# Altium PCB PA-HF_100W-VHF_60W.PcbDoc (part 2 of 3) (continued)
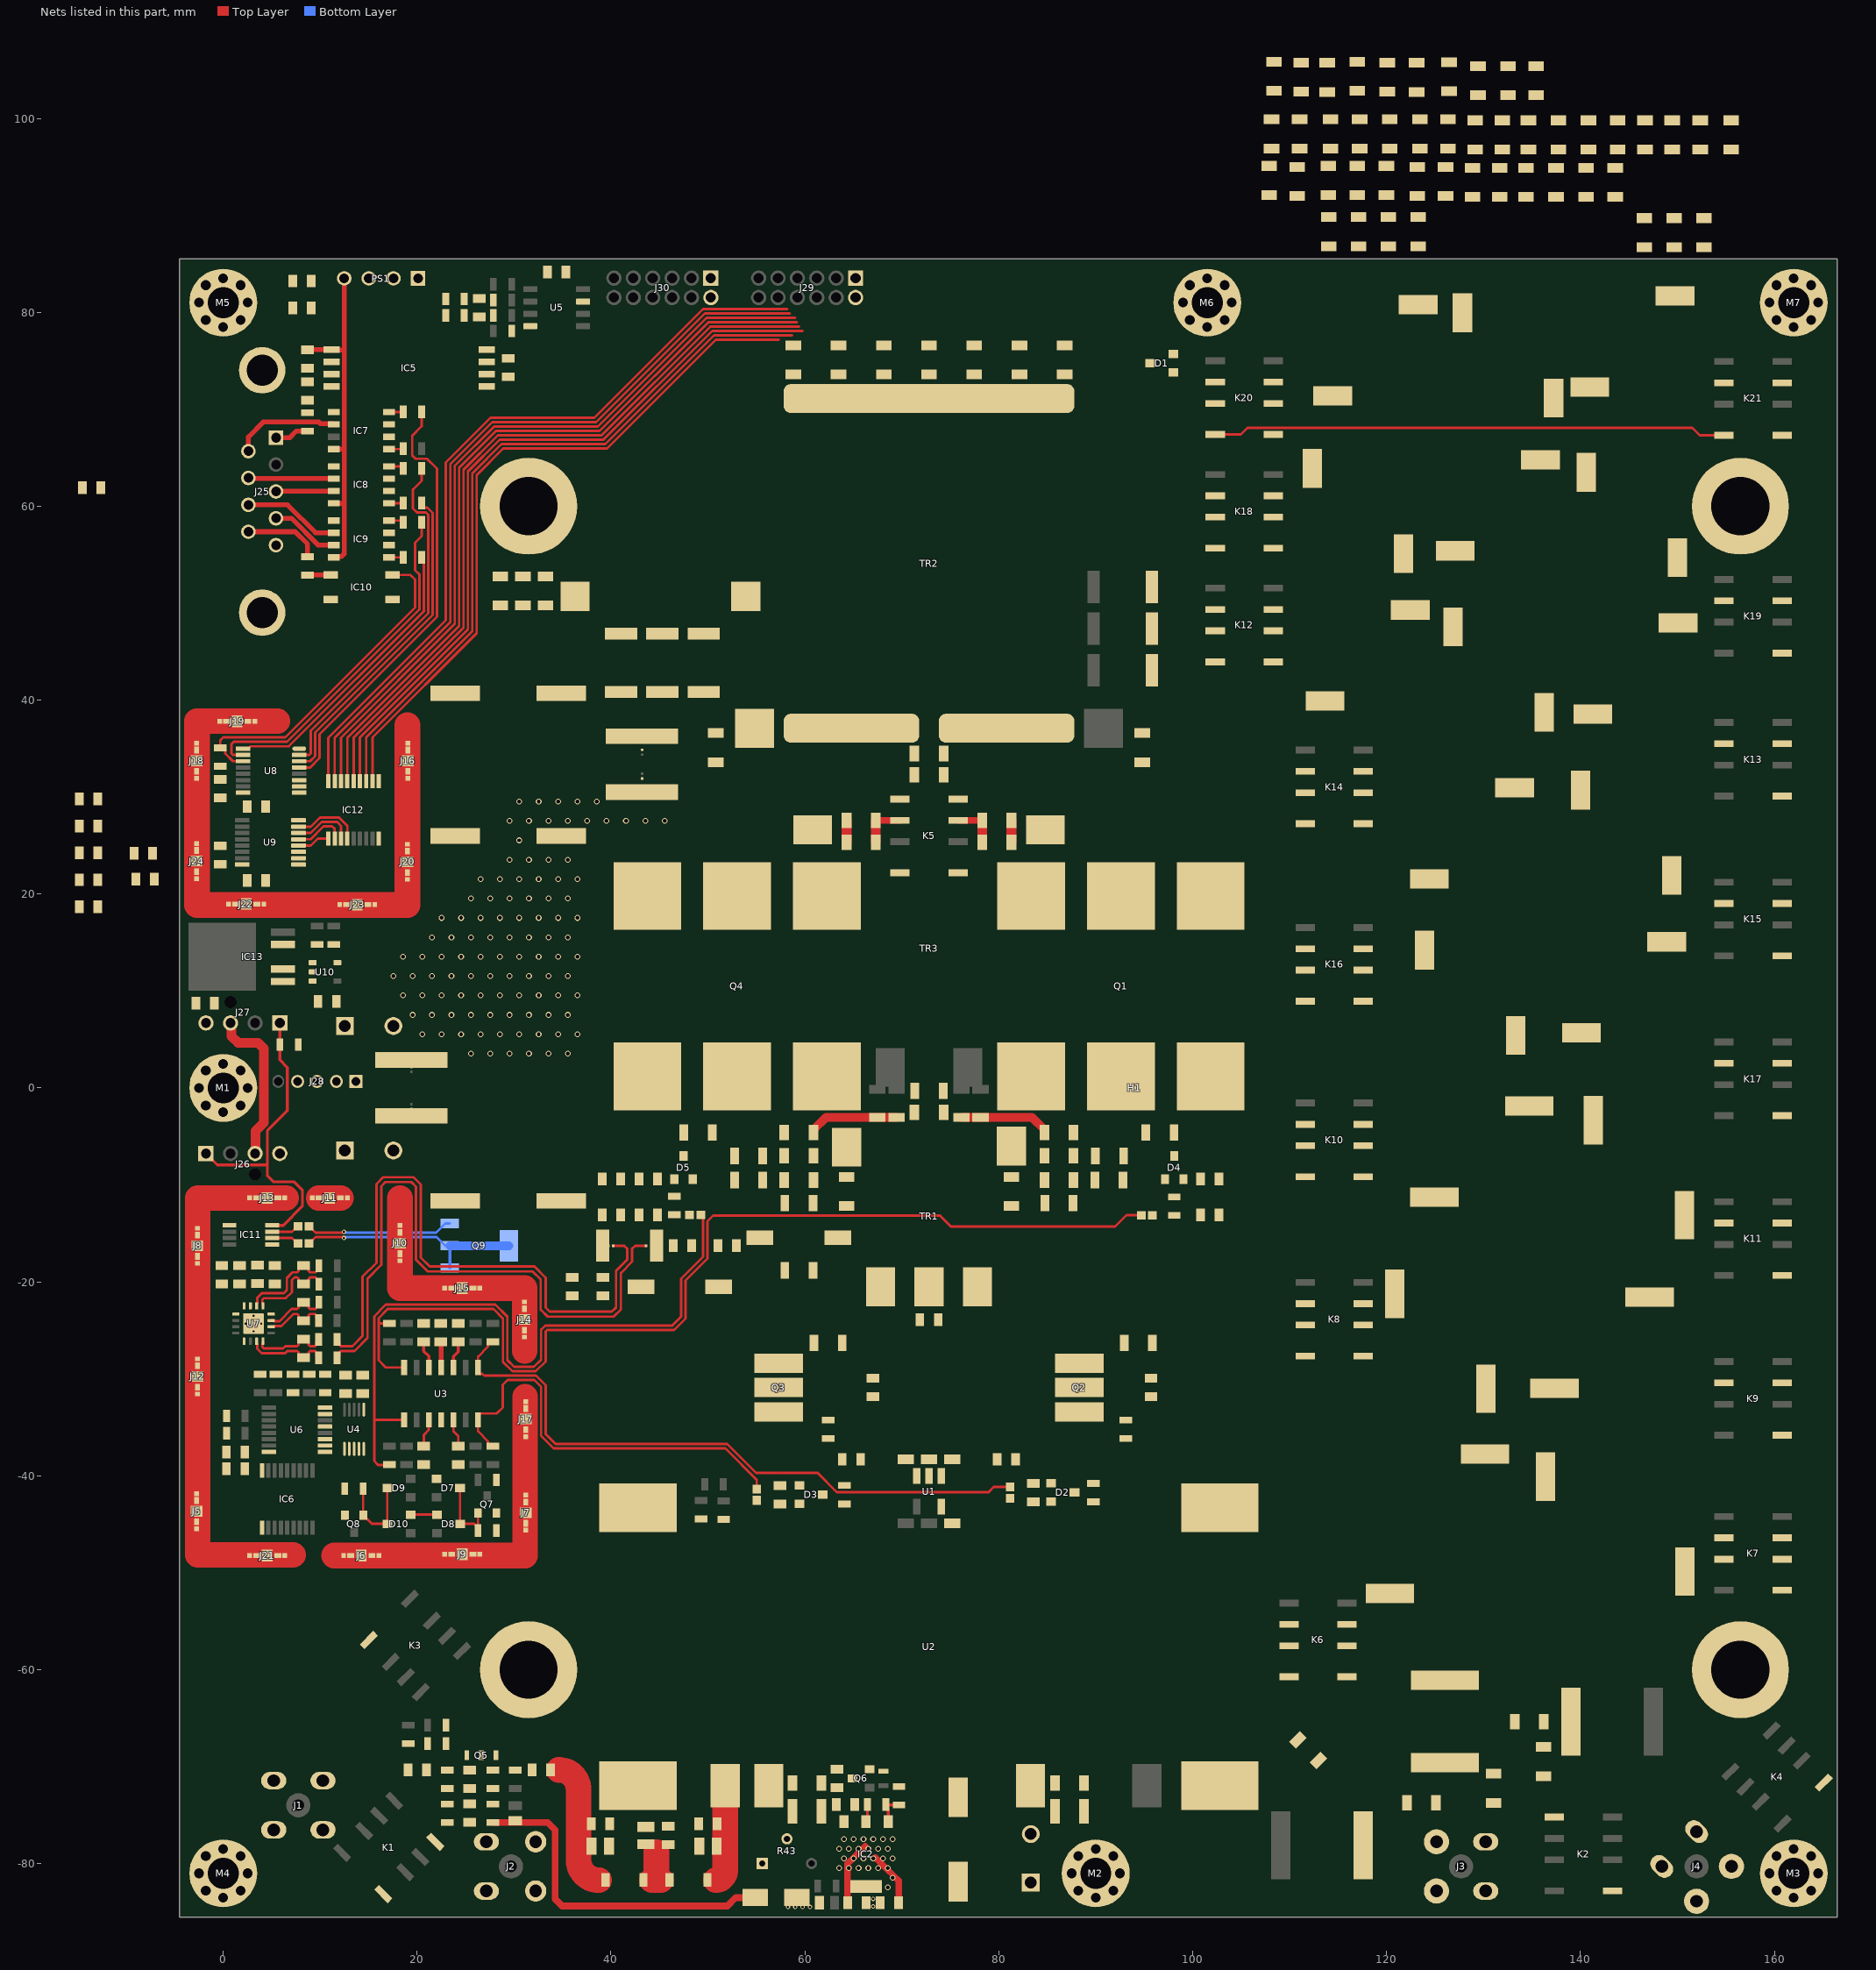
[diagram p2: the nets of this part, all layers, seen from the top]
## Part data (continued)
R46: library part "RES semi", "Chip Resistor", Manufacturer=Yageo/Phycomp, Manufacturer P/N=RC0603FR-0749R9L, numsch=021, Parameters="49.9R, RC, 0.1W, ±1%, TCR ±100ppm", TypeNum=212
TR1 TR3: "BN43-202 3+3T:3T 0.5mm"
TR2: "BN61-002 1T:4T 25ohms coaxial"
U1: "1:1"
U3: library part CMP-04895-000189-1, "IC CMOS 4 CIRCUIT 14SOIC", Case/Package=SOIC, Input Bias Current=0.5pA, Input Offset Voltage (Vos)=300uV, Max Operating Temperature=125°C, Min Operating Temperature=-40°C, Operating Supply Current=538uA, Output Current per Channel=50mA, Gain Bandwidth Product=10MHz, Mount="Surface Mount", Number Of Channels=4, Number of Circuits=4, Number of Pins=14, Packaging="Cut Tape", RoHS Compliant=Yes, Slew Rate=6.5V/µs
U4: library part CMP-0188-01009-2, "12-Bit Quad Digital-to-Analog Converter with EEPROM Memory, 10-pin MSOP, Extended Temperature, Tape and Reel", ComponentLink1Description="Manufacturer URL", ComponentLink1URL=http://www.microchip.com/, ComponentLink2Description=Datasheet, ComponentLink2URL=http://ww1.microchip.com/downloads/en/DeviceDoc/22187E.pdf, ComponentLink3Description="Package Specification", ComponentLink3URL=http://www.microchip.com/stellent/groups/techpub_sg/documents/packagingspec/en012702.pdf, DatasheetVersion="revE, Oct-2010", PackageDescription="10-Lead Plastic Micro Small Outline Package (UN) [MSOP]", PackageReference=MSOP-UN10, PackageVersion="revBB, Aug-2009", RevisionNote="URLs added. DatasheetVersion updated."
U5: library part CMP-0272-00694-3, "Precision, Low Noise, Low Iq Operational Amplifier, 2.2 to 5.5 V, -40 to 125 degC, 8-pin SOIC (D8), Green (RoHS & no Sb/Br)", Manufacturer="Texas Instruments", Total Supply Voltage(Max)(+5V is 5, +/-5V is 10)=5.5, Total Supply Voltage(Min)(+5V is 5, +/-5V is 10)=2.2, CMRR(Min)(dB)=76, Code_JEDEC=MS-012, ComponentLink1Description="Manufacturer URL", ComponentLink1URL=http://www.ti.com/, ComponentLink2Description=Datasheet, ComponentLink2URL=http://www.ti.com/general/docs/lit/getliterature.tsp?genericPartNumber=OPA376&fileType=pdf, ComponentLink3Description="Package Specification", ComponentLink3URL=http://www.ti.com/litv/pdf/msoi002j, DatasheetVersion=SBOS406F, Eco-Plan="Green (RoHS & no Sb/Br)", IIB(Max)(pA)=10, Iq per channel(Max)(mA)=0.95, Mounting Technology="Surface Mount", Number Of Channels=1, Offset Drift(Typ)(uV/C)=0.32, PackageDescription="8-Pin Plastic Small Outline, Body 4.9 x 3.9 mm, Pitch 1.27 mm", PackageReference=D0008A, PackageVersion="4040047-3/M, 06/2011", PartNumber=OPA376AIDR, Slew Rate(Typ)(V/us)=2, Sub Family="Low Input Bias Current Amp (<=10pA), Low Noise Amp (<=10nV/rtHz), Low Offset Voltage Amplifier (<=500uV), Low Supply Voltage Amplifier (<=2.7V), Precision Amplifier", Vio (25C)(Max)(mV)=0.025, Vn at 1kHz(Typ)(nV/rtHz)=7.5
U6 U8 U9: library part CMP-04886-000001-1, "IC I/O EXPANDER I2C 8B 16TSSOP", Ambient Temperature Range High=+85°C, Ambient Temperature Range Low=-40°C, Frequency=400kHz, Manufacturer="Texas Instruments", Max Junction Temp=100°C, Max Supply Voltage=5.5V, Min Supply Voltage=1.65V, Nominal Supply Current=5-22uA, Package=PW0016A, Temperature="-40°C to +85°C", Automotive=No, Category=IC, ComponentLink2Description=Datasheet, ComponentLink2URL=http://www.ti.com/lit/ds/symlink/tca9534a.pdf, Device Class L1="Integrated Circuits (ICs)", Device Class L2="Interface ICs", Device Class L3="I/O Expanders", Digikey Description="IC I/O EXPANDER I2C 8B 16TSSOP", Height=1.2mm, Interface=I2C,SMBus, Lead Free=Yes, Manufacturer Part Number=TCA9534APWR, Number Of I/Os=8, Octopart=https://octopart.com/tca9534apwr-texas+instruments-50333529, RoHS=TRUE, Standoff Height=0.05mm, Temperature Range High=+85°C, Temperature Range Low=-40°C
U7: library part CMP-0704-00001-2, "Triple Channel Shunt and Bus Voltage Monitor, 120 dB, 2.7 to 5.5 V, -40 to 125 degC, 16-Pin VQFN (RGV), Green (RoHS & no Sb/Br), Tape and Reel", Manufacturer="Texas Instruments", Offset Voltage (max)="+/- 80 uV", Operating Supply Range="2.7 to 5.5 V", Quiescent Current (Typ)="350 uA", Rating=Catalog, Temperature Range="-40 to 125 degC", Voltage Input Range (Bus)="0 to 26 V", CMR (Typ)="120 dB", ComponentLink1Description="Manufacturer URL", ComponentLink1URL=http://www.ti.com/, ComponentLink2Description=Datasheet, ComponentLink2URL=http://www.ti.com/lit/ds/symlink/ina3221.pdf, ComponentLink3Description="Package Specification", ComponentLink3URL=http://www.ti.com/lit/ds/symlink/ina3221.pdf, DatasheetVersion=SBOS576A, Gain="1 V/V", Gain Error (max)=0.25%, Mounting Technology="Surface Mount", PackageDescription="16-Pin Quad Flat No-lead Package, Body 4 x 4 mm, Pitch 0.65 mm", PackageReference=RGV0016A, PackageVersion=SBOS576A, Packing="Tape and Reel", PartNumber=INA3221AIRGVR, RoHS=TRUE
U10: library part CMP-0394-00364-2, "Single Output High PSRR LDO, 200 mA, Fixed 3.3 V Output, 2.7 to 5.5 V Input, 5-pin SOT-23 (DBV), -40 to 85 degC, Green (RoHS & no Sb/Br)", Manufacturer="Texas Instruments", Rating=Catalog, Accuracy(%)=2, Code_JEDEC=MO-178, ComponentLink1Description="Manufacturer URL", ComponentLink1URL=http://www.ti.com/, ComponentLink2Description=Datasheet, ComponentLink2URL=http://www.ti.com/general/docs/lit/getliterature.tsp?genericPartNumber=TPS79333&fileType=pdf, ComponentLink3Description="Package Specification", ComponentLink3URL=http://www.ti.com/litv/pdf/mpds018i, DatasheetVersion=SLVS348K, Eco-Plan="Green (RoHS & no Sb/Br)", Fixed Output Options(V)=3.3, Iout(Max)(A)=0.2, Iq(Typ)(mA)=0.2, Mounting Technology="Surface Mount", PackageDescription="5-Pin Plastic Small Outline, Body 1.60 Ãƒâ€” 2.90 mm, Pitch 0.95 mm", PackageReference=DBV0005A, PackageVersion=4073253-4/K, PartNumber=TPS79333DBVR, SubFamily="Single Channel LDO", Vdo(Typ)(mV)=102, Vin(Max)(V)=5.5, Vin(Min)(V)=2.7, Vout Adj(Max)(V)=3.3, Vout Adj(Min)(V)=3.3

## Via types
v1: diameter 0.6, hole 0.4, Top Layer to Bottom Layer, tented both sides, 127 vias
v2: diameter 0.45, hole 0.25, Top Layer to Bottom Layer, tented both sides, 8 vias
v3: diameter 0.5, hole 0.2, Top Layer to Bottom Layer, tented both sides, 4 vias

## Nets (pads, with @x,y where several pads share a name; then routed paths per layer and width w, separated by ;. In a path a pad name is that pad's centre, name@x,y a point inside that pad or via, vN(x,y) a via of type N, cw(c..) or ccw(c..) an arc to the next point about the centre after c; other vN are vias at no path point)
+3.3V: C119.2 C120.2 C121.2 C125.2 C128.2 C135.2 C137.2 C139.2 C140.2 C141.2 C142.2 C144.2 C145.2 C147.2 C149.2 C151.2 IC11.1 R50.1 R51.1 R61.1 R62.1 R63.1 R64.1 R65.1 R67.1 R79.1 R85.2 R87.2 U4.1 U5.7 U6.16 U7.4 U7.5 U7.16 U8.1 U8.2 U8.3 U8.16 U9.1 U9.2 U9.16 U10.5
+5V: C122.2 C129.2 C148.2 C150.2 C152.2 C153.2 IC5.8 IC13.4 R68.1 R88.2 U3.4 U10.1 U10.3 | length 2.7
  Top Layer w0.5: C129.2@22.45,-26.175 22.463,-26.188 22.463,-28.813 U3.4@22.475,-28.825
+5V_E: C123.1 C133.1 IC5.1 IC7.8 IC8.8 IC9.8 PS1.4 | length 35.6
  Top Layer w0.5: C123.1@8.7,76.15 8.702,76.153 11.173,76.153 IC5.1@11.175,76.155 11.205,76.125 12.475,76.125 ; IC9.8@11.4,54.72 11.475,54.795 12.182,54.795 12.475,55.088 12.475,60.3 ; IC8.8@11.4,60.307 11.407,60.3 12.475,60.3 ; IC7.8@11.4,65.895 11.405,65.9 12.475,65.9 ; PS1.4@12.48,83.5 12.475,83.495 12.475,65.9 ; 12.475,60.3 12.475,65.9
+12V: C42.1 C43.1 C44.2 C45.2 C46.2 C47.2 FB7.1 IC1.2 IC6.9 IC12.9 NT3.2 NT4.2 NT5.2 R32.1 R33.1 R44.1
  other v1: 25.541,3.542 27.541,3.542 29.541,3.542 31.541,3.542 33.541,3.542 35.541,3.542 20.541,5.542 22.541,5.542 24.541,5.542 26.541,5.542 28.541,5.542 30.541,5.542 32.541,5.542 34.541,5.542 36.541,5.542 19.541,7.542 21.541,7.542 23.541,7.542 25.541,7.542 27.541,7.542 29.541,7.542 31.541,7.542 33.541,7.542 35.541,7.542 18.541,9.542 20.541,9.542 22.541,9.542 24.541,9.542 26.541,9.542 28.541,9.542 30.541,9.542 32.541,9.542 34.541,9.542 36.541,9.542 17.541,11.542 19.541,11.542 21.541,11.542 23.541,11.542 25.541,11.542 27.541,11.542 29.541,11.542 31.541,11.542 33.541,11.542 35.541,11.542 18.541,13.542 20.541,13.542 22.541,13.542 24.541,13.542 26.541,13.542 28.541,13.542 30.541,13.542 32.541,13.542 34.541,13.542 36.541,13.542 21.541,15.542 23.541,15.542 25.541,15.542 27.541,15.542 29.541,15.542 31.541,15.542 33.541,15.542 35.541,15.542 22.541,17.542 24.541,17.542 26.541,17.542 28.541,17.542 30.541,17.542 32.541,17.542 34.541,17.542 36.541,17.542 25.541,19.542 27.541,19.542 29.541,19.542 31.541,19.542 33.541,19.542 35.541,19.542 26.541,21.542 28.541,21.542 30.541,21.542 32.541,21.542 34.541,21.542 36.541,21.542 29.541,23.542 31.541,23.542 33.541,23.542 35.541,23.542 30.541,25.542 29.541,27.542 31.541,27.542 33.541,27.542 35.541,27.542 37.541,27.542 39.541,27.542 41.541,27.542 43.541,27.542 45.541,27.542 30.541,29.542 32.541,29.542 34.541,29.542 36.541,29.542 38.541,29.542
+12V_FAN: C132.1 C143.2 FB7.2 J26.3 J27.3 PS1.2 | length 16.5
  Top Layer w1: J27.3@0.755,6.705 0.864,6.596 0.864,5.336 1.55,4.65 3.614,4.65 4.2,4.064 4.2,-3.575 3.323,-4.452 3.323,-6.727 J26.3@3.295,-6.755
+12V_LP: C146.2 IC13.1 IC13.2 J28.1 J28.2
ALC: J25.1 R56.1 | length 3.5
  Top Layer w0.5: J25.1@5.44,67.065 6.865,67.065 7.55,67.75 R56.1@8.7,67.75
BAND0: IC9.7 J25.4 | length 7.1
  Top Layer w0.5: J25.4@5.44,58.755 7.03,58.755 9.795,55.99 IC9.7@11.4,55.99
BAND0_IN: R82.2 U8.9 | length 30.2
  Top Layer w0.254: U8.9@2.05,35 2.575,35 2.821,35.246 6.78,35.246 20.698,49.164 20.698,54.502 R82.2@20.475,54.725
BAND1: IC9.6 J25.8 | length 10
  Top Layer w0.5: J25.8@2.6,60.14 6.635,60.14 9.515,57.26 IC9.6@11.4,57.26
BAND1_IN: R84.2 U8.10 | length 36.8
  Top Layer w0.254: U8.10@2.05,34.35 1,34.35 0.851,34.499 0.851,35.459 1.092,35.7 6.592,35.7 20.244,49.352 20.244,52.956 19.798,53.402 19.798,56.248 20.475,56.925 R84.2@20.475,58.325
BAND2: IC7.6 J25.6 | length 11
  Top Layer w0.5: J25.6@2.6,65.68 2.6,67.15 4.125,68.675 9.86,68.675 10.025,68.51 11.325,68.51 IC7.6@11.4,68.435
BAND2_IN: R74.2 U8.5 | length 45.4
  Top Layer w0.254: U8.5@7.85,33.05 8.958,33.05 9.942,34.034 9.942,36.482 22.06,48.6 22.06,63.865 21.025,64.9 19.825,64.9 19.5,65.225 19.5,67.275 20.475,68.25 R74.2@20.475,69.725
BAND3: IC8.7 J25.3 | length 6
  Top Layer w0.5: J25.3@5.44,61.525 5.466,61.551 11.374,61.551 IC8.7@11.4,61.577
BAND3_IN: R76.2 U8.6 | length 33.6
  Top Layer w0.254: U8.6@7.85,33.7 8.966,33.7 9.488,34.222 9.488,36.67 21.606,48.788 21.606,59.298 21.043,59.862 20.698,59.862 20.475,60.085 R76.2@20.475,60.325
BIAS0: FB5.1 R59.1 U3.7 | length 106.7
  Top Layer w0.254: R59.1@17.15,-24.275 16.029,-24.275 ; U3.7@18.665,-28.825 16.775,-28.825 16.029,-28.079 16.029,-24.275 ; FB5.1@94.699,-13.125 93.175,-13.125 92,-14.3 75.062,-14.3 73.935,-13.173 50.527,-13.173 49.95,-13.75 49.95,-17.592 47.675,-19.867 47.675,-23.775 46.496,-24.954 33.413,-24.954 33.25,-25.117 33.25,-28.2 32.233,-29.217 29.817,-29.217 28.85,-28.25 28.85,-23.775 27.879,-22.804 16.963,-22.804 16.029,-23.738 16.029,-24.275
BIAS1: FB6.1 R52.1 U3.8 | length 72.7
  Top Layer w0.254: R52.1@17.15,-38.85 17.125,-38.875 15.975,-38.875 15.575,-38.475 15.575,-34.225 ; U3.8@18.665,-34.225 15.575,-34.225 ; FB6.1@49.251,-13.075 49.496,-13.32 49.496,-17.404 47.221,-19.679 47.221,-23.587 46.308,-24.5 33.225,-24.5 32.796,-24.929 32.796,-28.012 32.045,-28.763 30.005,-28.763 29.304,-28.062 29.304,-23.587 28.067,-22.35 16.775,-22.35 15.575,-23.55 15.575,-34.225
BIAS_EN: D7.1 R65.2 U6.5
C\U\R\R\_\A\L\A\R\M\: D8.1 D10.2 R62.2 U6.7 U7.9 | length 2.7
  Top Layer w0.254: D10.2@19.325,-44 D8.1@22.05,-44
DRV_BIAS0: FB3.1 R69.1 U3.1 | length 67.1
  Top Layer w0.254: R69.1@27.825,-26.175 27.533,-26.175 27.31,-26.398 27.31,-26.69 26.285,-27.715 26.285,-29.3 26.458,-29.473 26.723,-29.473 26.921,-29.671 32.271,-29.671 33.25,-30.65 33.25,-35.7 34.277,-36.727 51.994,-36.727 54.967,-39.7 61.313,-39.7 63.29,-41.677 78.948,-41.677 79.476,-41.149 FB3.1@81.15,-41.149
DRV_BIAS1: FB4.1 R71.1 U3.14 | length 43.8
  Top Layer w0.254: R71.1@27.825,-36.95 27.533,-36.95 27.31,-36.727 27.31,-36.435 26.285,-35.41 U3.14@26.285,-34.225 26.285,-33.75 26.458,-33.577 26.605,-33.577 26.607,-33.575 28.2,-33.575 28.825,-32.95 28.825,-30.625 29.325,-30.125 32.083,-30.125 32.796,-30.838 32.796,-35.888 34.089,-37.181 51.806,-37.181 55.025,-40.4 FB4.1@55.025,-41.374
DRV_CURR_N: NT1.1 R75.1 | length 65.9
  Top Layer w0.254: R75.1@11.75,-27.825 11.973,-27.602 11.973,-27.278 12.122,-27.129 13.539,-27.129 14.883,-25.785 14.883,-19.667 16.31,-18.24 16.31,-10.12 16.725,-9.705 19.405,-9.705 19.87,-10.17 19.87,-17.7 21.095,-18.925 31.9,-18.925 32.75,-19.775 32.75,-22.868 33.465,-23.583 40.285,-23.583 41.025,-22.843 41.025,-19.068 42.179,-17.914 42.179,-16.575 42.479,-16.275 NT1.1@43.621,-16.275
DRV_CURR_P: NT3.1 R73.1 | length 65.1
  Top Layer w0.254: R73.1@11.75,-25.925 11.973,-26.148 11.973,-26.472 12.122,-26.621 13.329,-26.621 14.375,-25.575 14.375,-19.457 15.802,-18.03 15.802,-9.91 16.515,-9.197 19.615,-9.197 20.378,-9.96 20.378,-17.49 21.305,-18.417 32.11,-18.417 33.258,-19.565 33.258,-22.658 33.675,-23.075 40.075,-23.075 40.517,-22.633 40.517,-18.858 41.671,-17.704 41.671,-16.575 41.371,-16.275 NT3.1@40.229,-16.275
GND: C1.1 C4.2 C20.1 C22.1 C23.1 C24.1 C25.2 C26.1 C27.1 C28.1 C29.1 C30.2 C31.1 C32.1 C33.1 C34.1 C35.1 C36.1 C37.1 C38.1 C39.1 C40.1 C41.2 C42.2 C43.2 C44.1 C45.1 C46.1 C47.1 C53.2 C54.1 C55.1 C56.2 C57.2 C58.2 C59.2 C60.1 C61.2 C63.2 C65.2 C66.1 C67.1 C68.1 C69.1 C70.1 C73.1 C74.1 C75.1 C78.1 C79.1 C80.1 C83.1 C84.1 C85.1 C86.1 C90.2 C91.2 C92.2 C93.2 C96.2 C97.2 C98.2 C101.2 C102.2 C103.2 C107.2 C108.1 C109.2 C110.2 C114.2 C115.1 C116.2 C117.2 C118.1 C119.1 C120.1 C121.1 C122.1 C124.1 C125.1 C128.1 C129.1 C130.1 C131.1 C132.2 C135.1 C137.1 C139.1 C140.1 C141.1 C142.1 C143.1 C144.1 C145.1 C146.1 C147.1 C148.1 C149.1 C150.1 C151.1 C152.1 C153.1 H1.1 IC1.1 IC3.1 IC4.1 IC5.5 IC6.10 IC7.2 IC7.3 IC8.2 IC8.3 IC9.2 IC9.3 IC10.3 IC11.5 IC12.10 J1.1 J1.2 J1.3 J1.4 J2.1 J2.2 J2.3 J2.4 J3.1 J3.2 J3.3 J3.4 J4.1 J4.2 J4.3 J4.4 J5.1 J5.2 J5.3 J5.4 J5.5 J6.1 J6.2 J6.3 J6.4 J6.5 J7.1 J7.2 J7.3 J7.4 J7.5 J8.1 J8.2 J8.3 J8.4 J8.5 J9.1 J9.2 J9.3 J9.4 J9.5 J10.1 J10.2 J10.3 J10.4 J10.5 J11.1 J11.2 J11.3 J11.4 J11.5 J12.1 J12.2 J12.3 J12.4 J12.5 J13.1 J13.2 J13.3 J13.4 J13.5 J14.1 J14.2 J14.3 J14.4 J14.5 J15.1 J15.2 J15.3 J15.4 J15.5 J16.1 J16.2 J16.3 J16.4 J16.5 J17.1 J17.2 J17.3 J17.4 J17.5 J18.1 J18.2 J18.3 J18.4 J18.5 J19.1 J19.2 J19.3 J19.4 J19.5 J20.1 J20.2 J20.3 J20.4 J20.5 J21.1 J21.2 J21.3 J21.4 J21.5 J22.1 J22.2 J22.3 J22.4 J22.5 J23.1 J23.2 J23.3 J23.4 J23.5 J24.1 J24.2 J24.3 J24.4 J24.5 J25.M1 J25.M2 J26.4 J27.4 J28.3 J28.4 J29.1 J29.2 J30.1 J30.2 K1.1 K1.4 K2.1 K2.5 K3.1 K4.1 K5.1 K6.1 K6.2 K6.7 K7.1 K7.2 K7.7 K8.1 K9.1 K10.1 K11.1 K12.1 K13.1 K14.1 K15.1 K16.1 K17.1 K18.1 K19.1 K20.1 K21.1 L4.1 L5.1 L6.1 L7.1 M1.1 M2.1 M3.1 M4.1 M5.1 M6.1 M7.1 PS1.1 Q1.1 Q2.1 Q3.1 Q4.1 Q5.1 Q7.2 Q8.2 R1.2 R6.1 R11.1 R12.1 R13.1 R14.2 R16.1 R17.1 R21.2 R37.1 R39.1 R42.1 R43.1 R47.1 R60.2 R89.2 TR2.1 U1.2 U1.4 U2.5 U3.11 U4.10 U5.4 U6.1 U6.2 U6.3 U6.8 U7.3 U7.17@3.125,-24.3 U8.8 U9.3 U9.8 U10.2 | length 190.3
  Top Layer w2.636: 5.591,37.825 -2.7,37.825 -2.7,18.875 19,18.875 19,37.425 ; J13.1@6.5,-11.35 -2.65,-11.35 -2.65,-17.375 -2.65,-18.085 J12.3@-2.65,-29.75 J12.4@-2.65,-30.85 J12.5@-2.65,-31.56 -2.65,-41.84 -2.65,-42.55 -2.65,-48.15 7.2,-48.15 ; J11.4@9.85,-11.35 J11.2@12.125,-11.35 ; 11.45,-48.225 J6.5@12.428,-48.225 J6.4@13.137,-48.225 J6.3@14.238,-48.225 J6.2@15.338,-48.225 J6.1@16.047,-48.225 31.125,-48.225 31.125,-41.99 31.125,-31.825 ; 18.225,-11.35 18.225,-20.65 31.091,-20.65 31.091,-27.108
  other v2: 67.025,-84.425 67.025,-83.625
  other v3: 3.125,-25.1 2.325,-24.3 3.925,-24.3 3.125,-23.5
GND_E: C123.2 C127.2 C133.2 IC5.3 IC5.4 IC7.5 IC8.5 IC9.5 IC10.2 J25.5 PS1.3
IN1_N: C134.1 R75.2 U7.11 | length 8.7
  Top Layer w0.254: U7.11@3.45,-26.125 3.45,-26.35 3.521,-26.421 3.521,-26.913 3.967,-27.359 6.384,-27.359 6.615,-27.129 7.642,-27.129 7.791,-27.278 7.791,-27.502 8.114,-27.825 C134.1@8.3,-27.825 8.486,-27.825 8.809,-27.502 8.809,-27.278 8.958,-27.129 9.478,-27.129 9.627,-27.278 9.627,-27.602 R75.2@9.85,-27.825
IN1_P: C134.2 R73.2 U7.12 | length 7.9
  Top Layer w0.254: U7.12@4.1,-26.125 4.1,-26.35 4.029,-26.421 4.029,-26.702 4.178,-26.851 6.174,-26.851 6.404,-26.621 7.642,-26.621 7.791,-26.472 7.791,-26.248 8.114,-25.925 C134.2@8.3,-25.925 8.486,-25.925 8.809,-26.248 8.809,-26.472 8.958,-26.621 9.478,-26.621 9.627,-26.472 9.627,-26.148 R73.2@9.85,-25.925
IN2_N: C136.1 R78.2 U7.14 | length 6.8
  Top Layer w0.254: U7.14@4.95,-24.625 5.175,-24.625 5.246,-24.554 6.014,-24.554 7.264,-23.304 7.642,-23.304 7.791,-23.453 7.791,-23.677 8.114,-24 C136.1@8.3,-24 8.486,-24 8.809,-23.677 8.809,-23.453 8.958,-23.304 9.478,-23.304 9.627,-23.453 9.627,-23.777 R78.2@9.85,-24
IN2_P: C136.2 R77.2 U7.15 | length 6.8
  Top Layer w0.254: U7.15@4.95,-23.975 5.175,-23.975 5.246,-24.046 5.804,-24.046 7.054,-22.796 7.642,-22.796 7.791,-22.647 7.791,-22.423 8.114,-22.1 C136.2@8.3,-22.1 8.486,-22.1 8.809,-22.423 8.809,-22.647 8.958,-22.796 9.503,-22.796 9.652,-22.647 9.652,-22.323 R77.2@9.875,-22.1
IN3_N: C138.1 R83.2 U7.1 | length 9.5
  Top Layer w0.254: U7.1@4.1,-22.475 4.1,-22.25 4.029,-22.179 4.029,-21.846 4.2,-21.675 6.468,-21.675 7.074,-21.069 7.074,-19.812 7.357,-19.529 7.642,-19.529 7.791,-19.678 7.791,-19.902 8.114,-20.225 C138.1@8.3,-20.225 8.486,-20.225 8.809,-19.902 8.809,-19.678 8.958,-19.529 9.503,-19.529 9.652,-19.678 9.652,-20.002 R83.2@9.875,-20.225
IN3_P: C138.2 R81.2 U7.2 | length 10.4
  Top Layer w0.254: U7.2@3.45,-22.475 3.45,-22.25 3.521,-22.179 3.521,-21.636 3.99,-21.167 6.258,-21.167 6.566,-20.859 6.566,-19.601 7.147,-19.021 7.642,-19.021 7.791,-18.872 7.791,-18.648 8.114,-18.325 C138.2@8.3,-18.325 8.486,-18.325 8.809,-18.648 8.809,-18.872 8.958,-19.021 9.503,-19.021 9.652,-18.872 9.652,-18.548 R81.2@9.875,-18.325
KEY_IN: J25.9 R86.1 | length 7.9
  Top Layer w0.5: J25.9@2.6,57.37 7.425,57.37 8.7,56.095 R86.1@8.7,54.8
KEY_IN_OUT: IC10.4 R85.1 U8.11 | length 35.1
  Top Layer w0.254: U8.11@2.05,33.7 1.008,33.7 0.223,34.485 0.223,34.852 0,35.075 R85.1@-0.3,35.075 -0.3,35.85 0.004,36.154 6.27,36.154 6.404,36.154 19.79,49.54 19.79,52.435 19.305,52.92 IC10.4@17.45,52.92
KEY_OUT: IC8.6 J25.7 | length 8.8
  Top Layer w0.5: J25.7@2.6,62.91 2.631,62.879 11.369,62.879 IC8.6@11.4,62.847
KEY_OUT_IN: R80.2 U8.7 | length 37.2
  Top Layer w0.254: U8.7@7.85,34.35 8.885,34.35 9.034,34.499 9.034,36.858 21.152,48.976 21.152,59.11 20.914,59.348 20.29,59.348 19.99,59.348 19.575,59.763 19.575,61.725 20.475,62.625 R80.2@20.475,63.9
LPF0: IC12.18 K6.8 K8.2 K8.7 | length 79.7
  Top Layer w0.254: IC12.18@10.85,31.625 10.85,36.106 22.968,48.224 22.968,64.52 27.572,69.124 38.272,69.124 49.497,80.349 58.175,80.349
LPF1: IC12.17 K8.8 K10.2 K10.7 | length 79.1
  Top Layer w0.254: IC12.17@11.5,31.625 11.5,36.114 23.422,48.036 23.422,64.332 27.76,68.67 38.46,68.67 49.685,79.895 58.445,79.895
LPF2: IC12.16 K10.8 K14.2 K14.7 | length 78.8
  Top Layer w0.254: IC12.16@12.15,31.625 12.15,36.122 23.876,47.848 23.876,64.144 27.948,68.216 38.648,68.216 49.873,79.441 58.975,79.441
LPF3: IC12.15 K12.8 K18.2 K18.7 | length 78.2
  Top Layer w0.254: IC12.15@12.8,31.625 12.8,36.13 24.33,47.659 24.33,63.956 28.136,67.762 38.836,67.762 50.061,78.987 59.175,78.987
LPF4: IC12.14 K14.8 K16.2 K16.7 | length 77.6
  Top Layer w0.254: IC12.14@13.45,31.625 13.45,36.137 24.784,47.471 24.784,63.768 28.324,67.308 39.024,67.308 50.249,78.533 59.4,78.533
LPF5: IC12.13 K12.2 K12.7 K16.8 | length 77.1
  Top Layer w0.254: IC12.13@14.1,31.625 14.1,36.145 25.238,47.283 25.238,63.58 28.512,66.854 39.212,66.854 50.437,78.079 59.75,78.079
LPF6: D1.2 IC12.12 K18.8 K20.2 K20.7 | length 75.2
  Top Layer w0.254: IC12.12@14.75,31.625 14.75,36.153 25.692,47.095 25.692,63.392 28.7,66.4 39.4,66.4 50.625,77.625 58.675,77.625
LPF7: D1.1 IC12.11 K20.8 K21.8 | length 126
  Top Layer w0.254: IC12.11@15.4,31.625 15.4,36.161 26.146,46.907 26.146,63.204 28.888,65.946 39.588,65.946 50.813,77.171 57.3,77.171 ; K20.8@102.325,67.4 104.975,67.4 105.65,68.075 107.188,68.075 107.19,68.077 109.46,68.077 109.462,68.075 151.55,68.075 152.3,67.325 K21.8@154.8,67.325
NetC1_2: C1.2 C3.1 C8.1 C10.1 R8.2 TR1.2
NetC2_1: C2.1 C7.2 Q2.2 R6.2 R22.2
NetC2_2: C2.2 R2.1
NetC3_2: C3.2 C8.2 R1.1 R3.1 R4.1
NetC4_1: C4.1 C5.1 C6.1 C13.1 C14.1 K5.4 Q1.3 TR2.4 TR3.4 | length 2.3
  Top Layer w1: C5.1@81.3,25.325 C6.1@81.3,27.6
NetC5_2: C5.2 C6.2 K5.3 | length 4.8
  Top Layer w0.7: K5.3@75.8,27.6 C6.2@78.3,27.6
  Top Layer w1: C5.2@78.3,25.325 C6.2@78.3,27.6
NetC7_1: C7.1 U1.3
NetC9_1: C9.1 Q1.2 R3.2 R4.2 R24.2
NetC9_2: C9.2 R5.1 R7.1 | length 9.4
  Top Layer w0.9: R5.1@76.15,-3.025 R7.1@78.125,-3.025 83.425,-3.025 84.7,-4.3 C9.2@84.7,-4.6
NetC10_2: C10.2 C18.1 C21.1 C25.1 R8.1 TR1.1
NetC11_1: C11.1 Q3.3 R19.2 TR1.3
NetC11_2: C11.2 Q2.3 R2.2 TR1.4
NetC12_1: C12.1 Q4.2 R18.2 R20.2 R25.2
NetC12_2: C12.2 R9.1 R15.1 | length 9.4
  Top Layer w0.9: C12.2@60.9,-4.6 60.9,-4.3 62.175,-3.025 R15.1@67.475,-3.025 R9.1@69.45,-3.025
NetC13_2: C13.2 C14.2 C15.1 C16.2 C23.2 K5.5 Q4.3 TR2.3 TR3.3 | length 2.3
  Top Layer w1: C15.1@64.3,25.325 C16.2@64.3,27.6
NetC15_2: C15.2 C16.1 K5.6 | length 4.8
  Top Layer w0.7: C16.1@67.3,27.6 K5.6@69.8,27.6
  Top Layer w1: C15.2@67.3,25.325 C16.1@67.3,27.6
NetC17_1: C17.1 U1.1
NetC17_2: C17.2 C19.1 Q3.2 R14.1 R23.2
NetC18_2: C18.2 C21.2 R18.1 R20.1 R21.1
NetC19_2: C19.2 R19.1
NetC20_2: C20.2 C22.2 C24.2 C26.2 C27.2 C28.2 C29.2 L1.2 R27.2 R28.2 R29.2 TR2.5
NetC30_1: C30.1 D2.1 D2.2 FB3.2
NetC31_2: C31.2 D3.1 D3.2 FB4.2
NetC32_2: C32.2 FB1.1 FB2.2 R26.1
NetC33_2: C33.2 D5.1 D5.2 R31.2
NetC34_2: C34.2 D4.1 D4.2 R30.2
NetC35_2: C35.2 FB2.1 NT1.2 R32.2
NetC36_2: C36.2 C37.2 C38.2 C41.1 L1.1 NT2.2 R27.1 R28.1 R29.1 R33.2
NetC39_2: C39.2 FB5.2 R30.1
NetC40_2: C40.2 FB6.2 R31.1
NetC48_1: C48.1 C54.2 L2.2
NetC48_2: C48.2 C49.1 C60.2 L4.2
NetC49_2: C49.2 C55.2 L3.1
NetC50_1: C50.1 C52.2 C56.1 L5.2 | length 13.7
  Top Layer w2.636: 34.625,-70.325 cw(c34.625,-72.35) 36.65,-72.35 36.65,-79.6 ccw(c38.75,-79.6) 38.75,-81.7
NetC50_2: C50.2 C51.1 C57.1 L6.2 | length 4.1
  Top Layer w2.636: 44.675,-78.825 44.675,-81.25 cw(c44.225,-81.25) 44.225,-81.7 45.15,-81.7
NetC51_2: C51.2 C58.1 L7.2 U2.1 | length 10.3
  Top Layer w2.636: 50.8,-81.7 ccw(c50.8,-80.725) 51.775,-80.725 U2.1@51.775,-71.95
NetC52_1: C52.1 Q5.3 R34.1 R35.2
NetC53_1: C53.1 C59.1 R43.2 U2.2
NetC61_1: C61.1 C63.1 C65.1 IC3.2 Q6.2 R46.1 U2.3
NetC62_1: C62.1 C64.2 Q5.2 R38.2
NetC62_2: C62.2 R34.2
NetC64_1: C64.1 R36.2 R39.2
NetC66_2: C66.2 R38.1 R40.2 R42.2
NetC67_2: C67.2 C68.2 D6.1 IC2.2 IC2.4 L9.2 R45.2 | length 14.2
  Top Layer w0.3: IC2.2@66.3,-75.65 66.45,-75.5 R45.2@66.45,-73.9
  Top Layer w0.65: C67.2@64.4,-84.025 v1@64.4,-80.458 ; v1(64.541,-80.458) v1@64.4,-80.458 ; 66.225,-78.175 65.742,-78.658 64.992,-79.408 64.4,-80 v1@64.4,-80.458 ; v1@67.25,-79.35 67.95,-80.05 68.45,-80.55 69.2,-81.3 69.675,-81.775 C68.2@69.675,-84.025
  other v1: 68.541,-82.458 69.041,-81.458 63.541,-80.458 65.541,-80.458 66.541,-80.458 67.541,-80.458 68.541,-80.458 64.041,-79.458 65.041,-79.458 66.041,-79.458 67.041,-79.458 68.041,-79.458 69.041,-79.458 63.541,-78.458 64.541,-78.458 65.541,-78.458 66.541,-78.458 67.541,-78.458 68.541,-78.458 64.041,-77.458 65.041,-77.458 66.041,-77.458 67.041,-77.458 68.041,-77.458 69.041,-77.458
  other v2: 58.25,-84.475 59.008,-84.475 59.767,-84.475 60.525,-84.475
NetC69_2: C69.2 C70.2 IC2.3 Q6.3
NetC71_1: C71.1 C73.2 K6.3 K6.6 L10.1
NetC71_2: C71.2 C72.1 C74.2 L10.2 L11.1
NetC72_2: C72.2 C75.2 K7.3 K7.6 L11.2
NetC76_1: C76.1 C78.2 K8.3 K8.6 L12.1
NetC76_2: C76.2 C77.1 C79.2 L12.2 L13.1
NetC77_2: C77.2 C80.2 K9.3 K9.6 L13.2
NetC81_1: C81.1 C83.2 K10.3 K10.6 L14.1
NetC81_2: C81.2 C82.2 C84.2 C86.2 L14.2 L15.1
NetC82_1: C82.1 C85.2 K11.3 K11.6 L15.2
NetC87_1: C87.1 C90.1 K13.3 K13.6 L18.2
NetC87_2: C87.2 C89.1 C93.1 L17.2 L18.1
NetC88_1: C88.1 C89.2 C92.1 L16.2 L17.1
NetC88_2: C88.2 C91.1 K12.3 K12.6 L16.1
NetC94_1: C94.1 C95.2 C97.1 L19.2 L20.1
NetC94_2: C94.2 C96.1 K14.3 K14.6 L19.1
NetC95_1: C95.1 C98.1 K15.3 K15.6 L20.2
NetC99_1: C99.1 C101.1 K16.3 K16.6 L21.1
NetC99_2: C99.2 C100.1 C102.1 L21.2 L22.1
NetC100_2: C100.2 C103.1 K17.3 K17.6 L22.2
NetC104_1: C104.1 C106.2 C110.1 L24.2 L25.1
NetC104_2: C104.2 C107.1 K19.3 K19.6 L25.2
NetC105_1: C105.1 C108.2 K18.3 K18.6 L23.1
NetC105_2: C105.2 C106.1 C109.1 L23.2 L24.1
NetC111_1: C111.1 C113.2 C117.1 L27.2 L28.1
NetC111_2: C111.2 C114.1 K21.3 K21.6 L28.2
NetC112_1: C112.1 C115.2 K20.3 K20.6 L26.1
NetC112_2: C112.2 C113.1 C116.1 L26.2 L27.1
NetC118_2: C118.2 U3.10 U4.6 | length 2.9
  Top Layer w0.254: C118.2@20.683,-36.95 20.683,-35.792 21.205,-35.27 U3.10@21.205,-34.225
NetC124_2: C124.2 U3.5 U4.7 | length 2.9
  Top Layer w0.3: C124.2@20.683,-26.175 20.683,-27.133 21.205,-27.655 U3.5@21.205,-28.825
NetC126_1: C126.1 R57.1 R58.2
NetC126_2: C126.2 R53.1 R54.2
NetC127_1: C127.1 IC5.2 R56.2
NetC130_2: C130.2 U3.3 U4.8 | length 2.9
  Top Layer w0.3: U3.3@23.745,-28.825 23.745,-27.705 24.25,-27.2 24.25,-26.183 C130.2@24.242,-26.175
NetC131_2: C131.2 U3.12 U4.9 | length 2.9
  Top Layer w0.254: U3.12@23.745,-34.225 23.745,-35.42 24.242,-35.917 C131.2@24.242,-36.95
NetD1_3: D1.3 K5.8
NetD2_3: D2.3 R22.1
NetD3_3: D3.3 R23.1
NetD4_3: D4.3 R24.1
NetD5_3: D5.3 R25.1
NetD6_2: D6.2 L8.1 R40.1 | length 35.2
  Top Layer w0.7: R40.1@27.825,-75.75 33.45,-75.75 34.225,-76.525 34.225,-83.65 34.948,-84.373 52.002,-84.373 52.875,-83.5 D6.2@54.875,-83.5
NetD7_3: D7.3 D8.3 Q7.1 R67.2 | length 7.5
  Top Layer w0.254: D7.3@24.425,-41.275 24.425,-44.925 D8.3@24.45,-44.95 25.875,-44.95 R67.2@26.275,-45.35 ; R67.2@26.275,-45.65 R67.2@26.275,-45.35 ; Q7.1@26.275,-43.835 R67.2@26.275,-45.35
NetD9_3: D9.3 D10.3 Q8.1 R79.2 | length 9.3
  Top Layer w0.254: R79.2@14.425,-41.325 14.425,-44.125 14.724,-44.424 14.809,-44.424 15.335,-44.95 D10.3@16.925,-44.95 D9.3@16.925,-41.275
NetFB1_2: FB1.2 R26.2 TR1.5
NetFB8_1: FB8.1 Q9.1 Q9.2 Q9.4 | length 23.7
  Top Layer w0.254: FB8.1@8.851,-16.05 8.875,-16.05 9.177,-15.748 9.177,-15.724 9.522,-15.379 12.353,-15.379 v2(12.453,-15.479)
  Bottom Layer w0.254: v2(12.453,-15.479) 12.506,-15.479 12.606,-15.379 22.004,-15.379 22.9,-16.275 Q9.2@23.375,-16.275
  Bottom Layer w0.3: Q9.1@23.375,-18.575 Q9.2@23.375,-16.275
  Bottom Layer w0.9: Q9.2@23.375,-16.275 Q9.4@29.475,-16.275
NetFB8_2: FB8.2 IC11.2 | length 2.9
  Top Layer w0.254: IC11.2@5.062,-15.475 7.1,-15.475 7.675,-16.05 FB8.2@7.699,-16.05
NetFB9_1: FB9.1 Q9.3 | length 15.3
  Top Layer w0.254: FB9.1@8.851,-14.25 8.875,-14.25 9.177,-14.552 9.177,-14.576 9.526,-14.925 12.35,-14.925 v2(12.45,-14.825)
  Bottom Layer w0.254: v2(12.45,-14.825) 12.503,-14.825 12.603,-14.925 21.95,-14.925 22.9,-13.975 Q9.3@23.375,-13.975
NetFB9_2: FB9.2 IC11.3 | length 2.9
  Top Layer w0.254: IC11.3@5.062,-14.825 7.1,-14.825 7.675,-14.25 FB9.2@7.699,-14.25
NetIC2_1: IC2.1 R45.1 R47.2 | length 3.2
  Top Layer w0.3: IC2.1@68.59,-75.65 68.59,-74.44 68.35,-74.2 R45.1@68.35,-73.9 68.4,-73.95 R47.2@69.7,-73.95
NetIC4_2: IC4.2 NT6.2 R44.2
NetIC5_6: IC5.6 R54.1
NetIC5_7: IC5.7 R58.1
NetIC7_1: IC7.1 R72.1 | length 1.5
  Top Layer w0.254: IC7.1@17.1,65.895 18.545,65.895 R72.1@18.575,65.925
NetIC7_4: IC7.4 R74.1 | length 1.5
  Top Layer w0.254: IC7.4@17.1,69.705 18.555,69.705 R74.1@18.575,69.725
NetIC8_1: IC8.1 R76.1 | length 1.5
  Top Layer w0.254: IC8.1@17.1,60.307 18.557,60.307 R76.1@18.575,60.325
NetIC8_4: IC8.4 R80.1 | length 1.6
  Top Layer w0.254: IC8.4@17.1,64.117 18.358,64.117 R80.1@18.575,63.9
NetIC9_1: IC9.1 R82.1 | length 1.5
  Top Layer w0.254: IC9.1@17.1,54.72 18.57,54.72 R82.1@18.575,54.725
NetIC9_4: IC9.4 R84.1 | length 1.6
  Top Layer w0.254: IC9.4@17.1,58.53 18.37,58.53 R84.1@18.575,58.325
NetIC10_1: IC10.1 R86.2 | length 2.4
  Top Layer w0.5: R86.2@8.7,52.9 8.71,52.91 11.09,52.91 IC10.1@11.1,52.92
NetIC11_4: IC11.4 J26.1 J27.1 R87.1 | length 33.7
  Top Layer w0.3: J26.1@-1.785,-6.755 -0.6,-7.94 4.55,-7.94 ; IC11.4@5.062,-14.175 6.2,-14.175 8.168,-12.207 8.168,-10.5 7.35,-9.682 5.207,-9.682 4.55,-9.025 4.55,-7.94 ; J27.1@5.835,6.705 5.835,2.89 6.625,2.1 6.625,-2.352 4.55,-4.427 4.55,-7.94
  Top Layer w0.5: J26.1@-1.785,-6.755 J26.1@-1.7,-6.67
NetIC12_1: IC12.1 U9.4 | length 3.4
  Top Layer w0.254: U9.4@7.768,25.001 9.026,25.001 9.75,25.725 IC12.1@10.85,25.725
NetIC12_2: IC12.2 U9.5 | length 5.4
  Top Layer w0.254: U9.5@7.768,25.651 9.017,25.651 10.342,26.976 11.25,26.976 11.493,26.733 IC12.2@11.493,25.725
NetIC12_3: IC12.3 U9.6 | length 6.3
  Top Layer w0.254: U9.6@7.768,26.301 9.025,26.301 10.154,27.43 11.761,27.43 12.15,27.041 IC12.3@12.15,25.725
NetIC12_4: IC12.4 U9.7 | length 7.1
  Top Layer w0.254: U9.7@7.768,26.951 9.033,26.951 9.966,27.884 11.949,27.884 12.8,27.033 IC12.4@12.8,25.725